# KiCad board kim-1.kicad_pcb (continued)
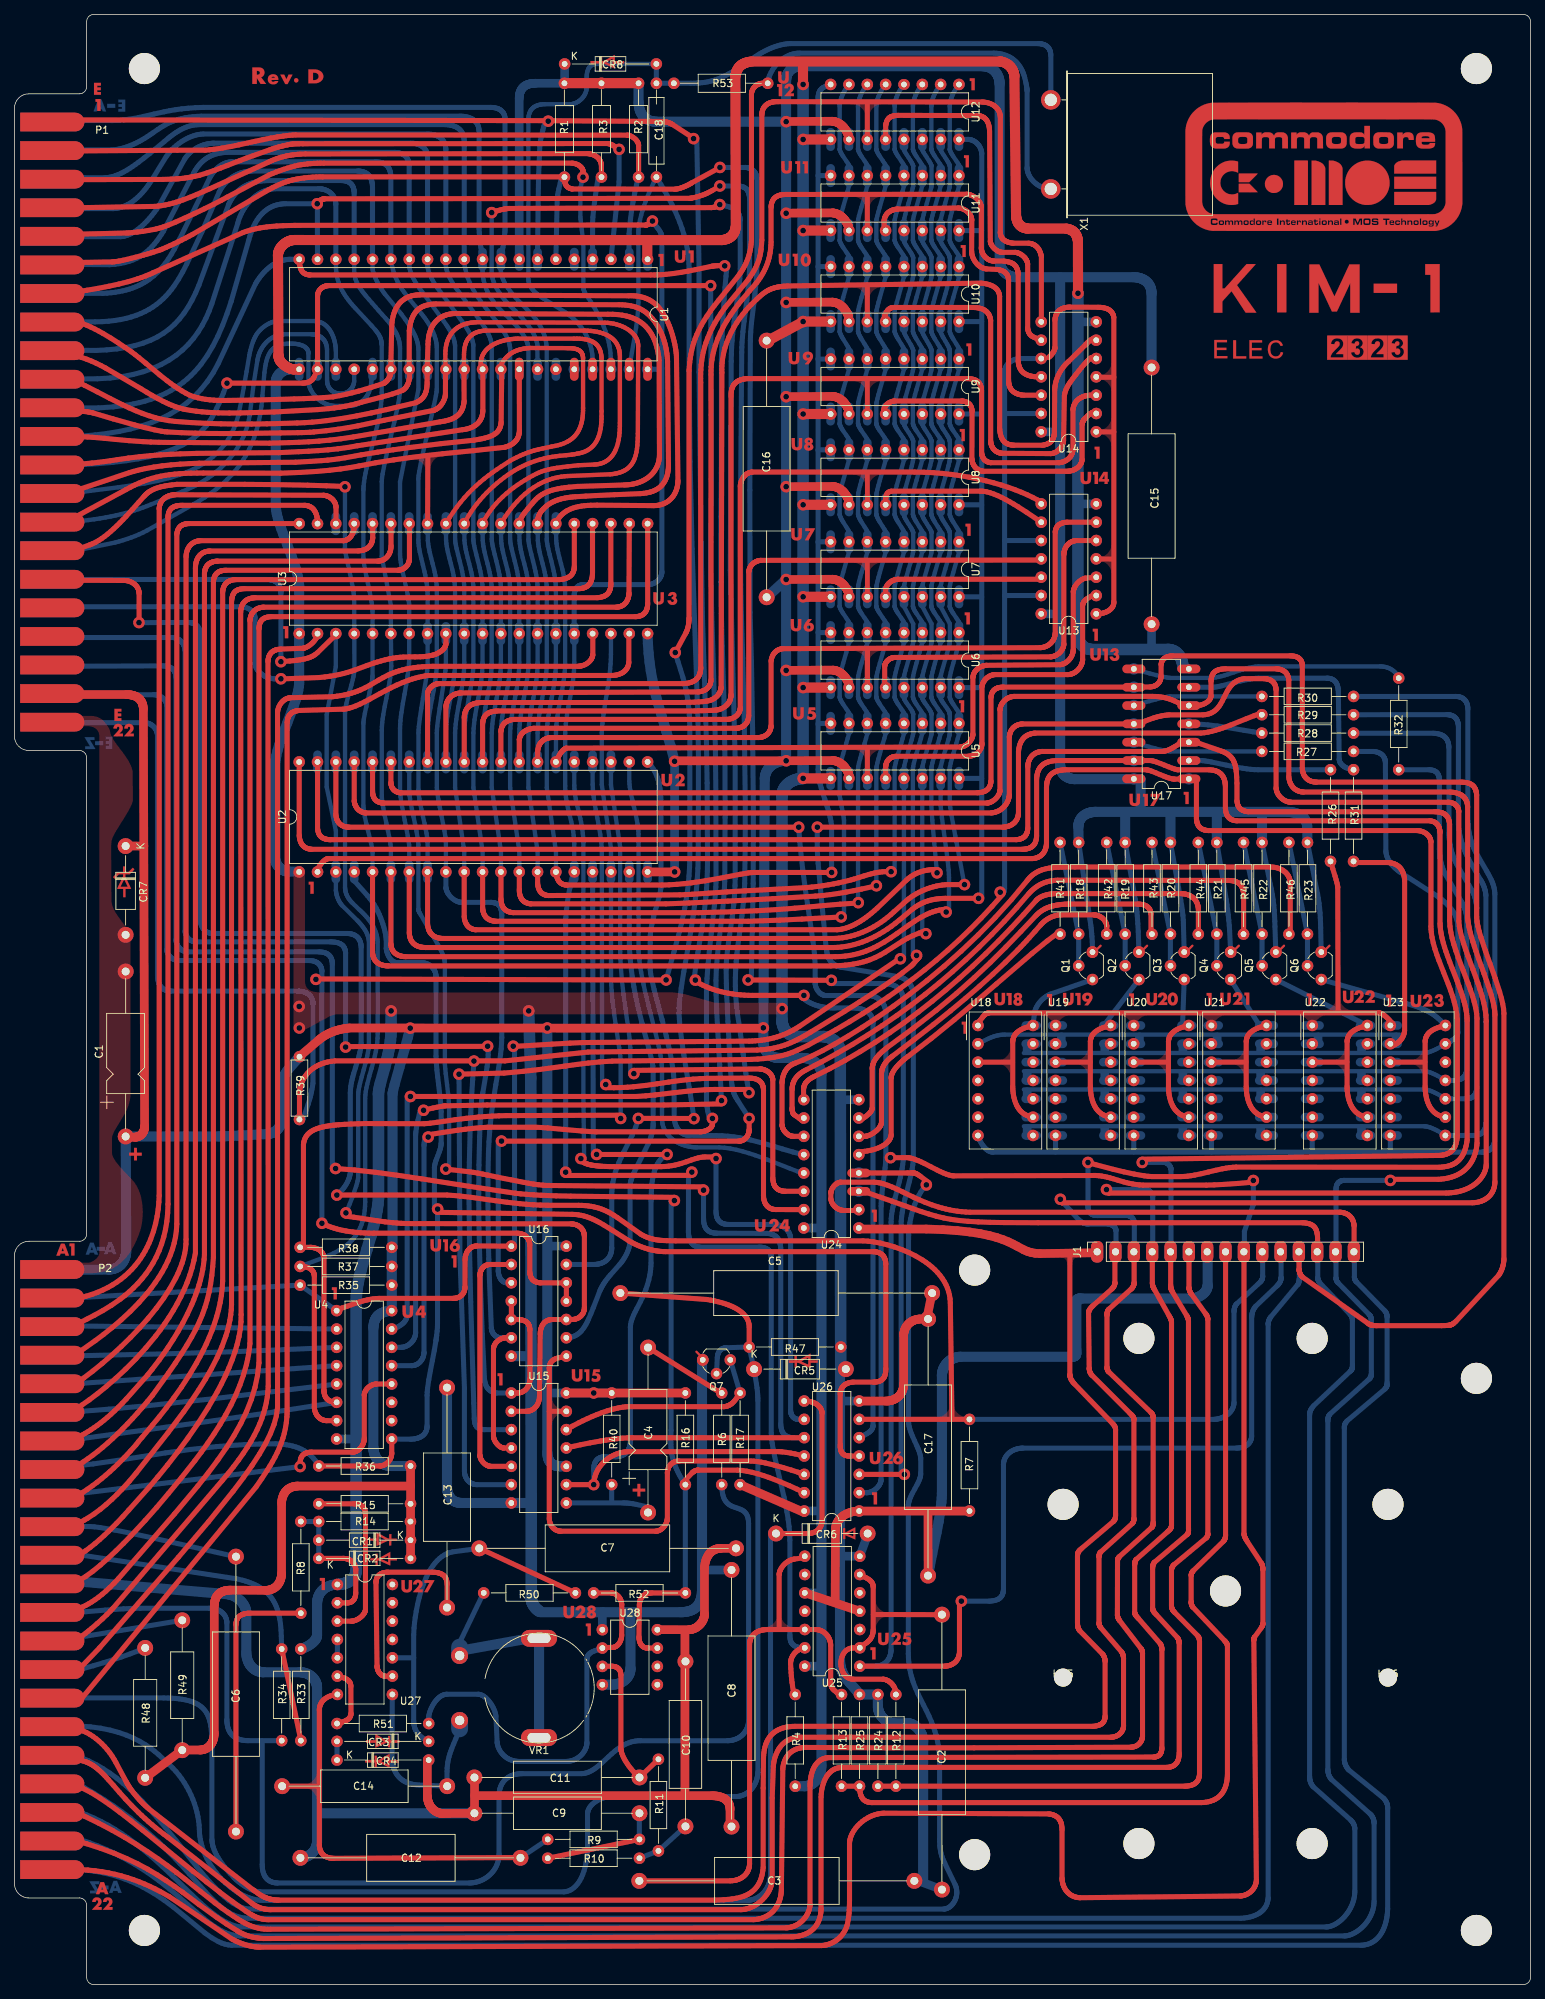
[diagram p0: board, top side]
## Routing (per net, layer and track width the routed paths; a pad name or vN(x,y) marks a point on that pad's centre or on a via; arc(x,y) is an arc through that point) (continued)
/A: length 80
  Top w0.7: 133.47,132.87 133.47,133.3 133.52,133.34 133.57,133.39 133.66,133.48 133.75,133.59 133.83,133.7 134,133.92 134.09,134.03 134.18,134.14 134.27,134.25 134.36,134.34 134.41,134.39 134.46,134.43 134.51,134.47 134.56,134.5 134.61,134.53 134.67,134.56 134.72,134.59 134.78,134.61 134.84,134.63 134.9,134.64 134.96,134.65 135.03,134.65 188.93,134.66 189.01,134.65 189.09,134.64 189.16,134.62 189.25,134.59 189.33,134.56 189.41,134.51 189.5,134.47 189.58,134.41 189.67,134.35 189.75,134.29 189.92,134.15 190.08,134.01 190.24,133.85 190.39,133.7 190.53,133.54 190.65,133.39 190.76,133.26 190.85,133.13 ; 183.33,134.72 183.29,152.03 183.28,152.15 183.26,152.3 183.18,152.67 183.06,153.11 182.92,153.6 182.59,154.65 182.44,155.17 182.3,155.65
/A0: length 330.5
  Top w0.7: 75.01,154.17 75.02,154.04 75.03,153.89 75.06,153.75 75.09,153.59 75.14,153.44 75.19,153.29 75.26,153.15 75.3,153.08 75.34,153.01 75.38,152.94 75.43,152.88 75.48,152.81 75.54,152.75 75.6,152.7 75.66,152.64 75.73,152.6 75.8,152.55 75.88,152.51 75.96,152.47 76.04,152.44 76.13,152.41 76.23,152.39 76.33,152.37 76.43,152.36 76.54,152.36 89.64,152.36 90.69,152.39 91.74,152.46 92.77,152.55 93.78,152.67 95.72,152.95 97.52,153.27 100.52,153.85 101.64,154.04 102.08,154.09 102.45,154.1 113.19,154.1
  Bottom w0.127: 111.34,187.34 111.31,187.36 ; 111.32,212.67 111.31,212.66 ; 111.32,250.67 111.31,250.67 ; 111.32,238.06 111.31,238.05 ; 111.33,225.25 111.31,225.23 ; 111.4,174.76 111.31,174.67 ; 111.32,199.92 111.31,199.92
  Bottom w0.6: 67.37,239.05 67.36,238.43 67.36,238.16 67.36,237.9 67.37,237.66 67.37,237.46 67.4,237.22 67.45,236.98 67.51,236.75 67.59,236.51 67.68,236.27 67.79,236.03 67.92,235.79 68.05,235.55 68.35,235.08 68.69,234.62 69.05,234.17 69.44,233.73 69.83,233.31 70.21,232.9 70.95,232.17 71.57,231.53 71.82,231.27 72.01,231.03 72.24,230.73 72.44,230.44 72.63,230.16 72.79,229.87 72.95,229.59 73.08,229.32 73.2,229.05 73.31,228.78 73.4,228.51 73.48,228.25 73.55,227.99 73.61,227.73 73.65,227.47 73.69,227.21 73.71,226.96 73.73,226.7 73.73,200.29 73.75,200.01 73.79,199.7 73.85,199.35 73.93,198.98 74.13,198.15 74.36,197.26 74.59,196.32 74.7,195.85 74.79,195.37 74.87,194.9 74.94,194.44 74.98,193.99 75,193.55 75,183.19 74.98,182.53 74.95,181.89 74.89,181.26 74.81,180.64 74.63,179.43 74.41,178.24 74.19,177.06 73.98,175.88 73.9,175.28 73.82,174.68 73.77,174.06 73.73,173.44 73.73,165.86 75,157.02 75,154.21
  Bottom w0.7: 113.19,154.11 113.19,160.24 113.16,160.73 113.09,161.23 112.99,161.73 112.87,162.24 112.73,162.74 112.57,163.25 112.23,164.27 111.9,165.3 111.75,165.81 111.61,166.32 111.49,166.83 111.4,167.35 111.34,167.85 111.31,168.36 111.31,199.92 111.31,212.66 111.31,225.23 111.31,238.05 111.31,261.39 111.32,261.53 111.33,261.66 111.35,261.78 111.37,261.9 111.39,262.01 111.42,262.11 111.45,262.2 111.49,262.29 111.53,262.37 111.57,262.44 111.62,262.51 111.67,262.58 111.72,262.64 111.78,262.69 111.84,262.74 111.9,262.79 111.96,262.83 112.02,262.87 112.16,262.94 112.3,263.01 112.44,263.07 112.74,263.17 112.88,263.23 113.03,263.29 ; 7.21,258.29 13.52,258.29 14.35,258.32 15.12,258.39 15.86,258.48 16.57,258.59 17.26,258.73 17.93,258.87 19.3,259.19 20.73,259.51 21.49,259.66 22.3,259.79 23.16,259.91 24.08,260.01 25.08,260.08 26.15,260.12 65.95,260.12 66.17,260.11 66.38,260.09 66.57,260.06 66.76,260.01 66.93,259.96 67.02,259.92 67.1,259.89 67.17,259.85 67.25,259.8 67.32,259.76 67.38,259.71 67.45,259.66 67.51,259.6 67.57,259.54 67.62,259.48 67.67,259.42 67.71,259.35 67.76,259.28 67.79,259.21 67.83,259.13 67.86,259.06 67.89,258.97 67.91,258.89 67.93,258.8 67.94,258.71 67.95,258.62 67.95,258.53 67.95,243.3 67.95,243.06 67.93,242.81 67.89,242.31 67.83,241.79 67.75,241.26 67.66,240.72 67.56,240.17 67.37,239.07 ; U5.8 111.4,174.76 ; U11.8 111.32,250.67 ; U10.8 111.32,238.06 ; U8.8 111.32,212.67 ; U9.8 111.33,225.25 ; U6.8 111.34,187.34 ; U7.8 111.32,199.92
  vias: v1(113.19,154.11)
/A1: length 329
  Top w0.7: 121.42,154.2 121.01,154.22 120.61,154.22 120.22,154.19 119.83,154.15 119.46,154.09 119.09,154.01 118.73,153.93 118.37,153.83 117.67,153.62 116.97,153.4 116.27,153.18 115.91,153.08 115.56,152.99 114.87,152.82 114.18,152.66 113.48,152.52 112.77,152.39 112.03,152.28 111.26,152.17 110.45,152.08 109.59,152 101.13,151.56 98.69,151.41 96.14,151.23 93.84,151.08 92.9,151.03 92.16,151 73.96,150.91 73.87,150.91 73.78,150.93 73.69,150.94 73.6,150.96 73.52,150.98 73.45,151.01 73.37,151.04 73.3,151.07 73.23,151.11 73.17,151.15 73.11,151.19 73.05,151.24 72.99,151.29 72.94,151.34 72.89,151.4 72.84,151.45 72.8,151.51 72.76,151.58 72.72,151.64 72.68,151.71 72.62,151.85 72.57,151.99 72.53,152.15 72.5,152.31 72.48,152.48 72.46,152.65 72.47,154.17
  Bottom w0.6: 64.84,239.05 64.84,238.43 64.84,237.9 64.84,237.46 64.86,237.1 64.89,236.75 64.94,236.41 65.01,236.08 65.09,235.76 65.18,235.45 65.29,235.15 65.4,234.86 65.53,234.58 65.67,234.31 65.96,233.79 66.28,233.31 66.62,232.86 66.97,232.45 67.31,232.07 67.97,231.42 68.53,230.9 68.75,230.69 68.92,230.51 69.27,230.13 69.65,229.7 69.83,229.47 70.02,229.24 70.2,229 70.37,228.75 70.53,228.5 70.69,228.25 70.82,227.99 70.94,227.74 70.99,227.61 71.04,227.48 71.08,227.35 71.12,227.22 71.14,227.09 71.17,226.96 71.18,226.83 71.19,226.7 71.19,200.29 71.21,200.01 71.26,199.7 71.32,199.35 71.4,198.98 71.6,198.15 71.83,197.26 72.06,196.32 72.16,195.85 72.26,195.37 72.34,194.9 72.4,194.44 72.44,193.99 72.46,193.55 72.46,183.19 72.45,182.53 72.41,181.89 72.35,181.26 72.28,180.64 72.09,179.43 71.87,178.24 71.65,177.06 71.44,175.88 71.35,175.28 71.28,174.68 71.22,174.06 71.19,173.44 71.19,165.86 72.46,157.02 72.46,154.21 ; 123.18,263.3 123.13,263.23 122.99,263.03 122.89,262.89 122.78,262.72 122.67,262.54 122.55,262.33 122.43,262.11 122.32,261.87 122.26,261.74 122.21,261.61 122.16,261.48 122.12,261.35 122.07,261.22 122.03,261.08 122,260.94 121.97,260.8 121.95,260.66 121.93,260.52 121.92,260.38 121.92,260.24 121.92,254.37 121.92,254.32 121.93,254.27 121.94,254.21 121.96,254.16 122,254.03 122.06,253.91 122.13,253.77 122.21,253.63 122.3,253.48 122.4,253.33 122.82,252.71 123.02,252.4 123.12,252.25 123.2,252.11 123.2,249.23 123.02,248.5 122.81,247.74 122.39,246.28 122.2,245.63 122.05,245.08 121.95,244.65 121.93,244.49 121.92,244.37 121.92,241.76 121.92,241.71 121.93,241.65 121.94,241.59 121.96,241.53 122.01,241.41 122.07,241.28 122.14,241.14 122.22,241 122.31,240.85 122.41,240.7 122.82,240.09 123.03,239.79 123.12,239.64 123.2,239.5 123.2,236.62 122.82,235.25 122.41,233.79 122.22,233.11 122.06,232.52 121.96,232.06 121.93,231.89 121.92,231.76 121.92,229.12 121.92,229.07 121.93,229.02 121.94,228.96 121.96,228.9 122.01,228.77 122.07,228.64 122.14,228.49 122.22,228.34 122.31,228.18 122.41,228.01 122.82,227.34 123.03,227.01 123.12,226.84 123.2,226.69 123.2,223.81 122.82,222.45 122.4,220.99 122.21,220.32 122.06,219.73 121.96,219.26 121.93,219.08 121.92,218.95 121.92,216.37 121.92,216.32 121.93,216.26 121.94,216.2 121.96,216.14 121.98,216.08 122,216.02 122.06,215.89 122.13,215.75 122.21,215.61 122.3,215.46 122.4,215.31 122.82,214.7 123.02,214.4 123.12,214.25 123.2,214.11 123.2,211.23 122.82,209.87 122.4,208.42 122.21,207.75 122.06,207.16 121.96,206.69 121.93,206.51 121.92,206.37 121.92,203.78 121.92,203.73 121.93,203.67 121.94,203.61 121.96,203.54 122.01,203.41 122.07,203.27 122.14,203.12 122.22,202.97 122.31,202.81 122.41,202.65 122.82,202 123.03,201.67 123.12,201.51 123.2,201.36 123.2,198.48 122.82,197.12 122.4,195.68 122.22,195 122.06,194.41 121.96,193.94 121.93,193.76 121.92,193.62 121.92,191.04 121.92,190.99 121.93,190.94 121.94,190.88 121.95,190.82 122,190.7 122.06,190.57 122.13,190.44 122.21,190.29 122.3,190.15 122.4,190 122.82,189.38 123.02,189.07 123.12,188.92 123.2,188.78 123.2,185.9 122.82,184.54 122.4,183.09 122.21,182.42 122.06,181.83 121.96,181.36 121.93,181.18 121.92,181.04 121.92,178.46 121.92,178.41 121.93,178.35 121.94,178.29 121.96,178.23 122.01,178.11 122.07,177.97 122.14,177.84 122.22,177.7 122.31,177.55 122.41,177.4 122.82,176.79 123.03,176.49 123.12,176.34 123.2,176.2 123.2,173.32 123.02,172.67 122.82,171.97 122.4,170.53 122.21,169.86 122.06,169.27 121.95,168.79 121.93,168.6 121.92,168.46 121.92,154.22
  Bottom w0.7: 7.54,254.22 13.43,254.22 13.76,254.24 14.1,254.28 14.45,254.34 14.79,254.42 15.14,254.51 15.49,254.62 15.85,254.75 16.21,254.89 16.57,255.05 16.93,255.22 17.3,255.41 17.66,255.61 18.03,255.83 18.4,256.06 18.77,256.3 19.14,256.56 19.85,257.06 20.2,257.28 20.54,257.5 20.88,257.7 21.23,257.88 21.59,258.05 21.95,258.2 22.34,258.34 22.75,258.47 23.18,258.58 23.64,258.67 24.14,258.75 24.67,258.82 25.25,258.87 25.87,258.9 61.65,258.9 61.91,258.9 62.16,258.88 62.4,258.85 62.64,258.8 62.88,258.74 63.1,258.66 63.3,258.57 63.4,258.52 63.5,258.46 63.59,258.39 63.68,258.33 63.76,258.25 63.84,258.18 63.92,258.09 63.98,258.01 64.05,257.91 64.11,257.82 64.16,257.71 64.21,257.61 64.25,257.49 64.28,257.37 64.31,257.25 64.33,257.12 64.35,256.98 64.36,256.84 64.36,243.3 64.38,242.77 64.44,242.12 64.52,241.42 64.6,240.72 64.83,239.06
  vias: v1(121.42,154.21)
/A2: length 330.8
  Top w0.7: 119.42,152.26 117.33,151.8 116.27,151.58 115.21,151.38 114.14,151.2 113.08,151.04 112.01,150.91 110.94,150.82 105.06,150.47 98.8,150.13 93.43,149.87 90.21,149.75 71.58,149.75 71.47,149.76 71.36,149.77 71.26,149.79 71.17,149.81 71.07,149.84 70.99,149.87 70.9,149.9 70.82,149.94 70.74,149.98 70.67,150.02 70.6,150.07 70.54,150.12 70.47,150.18 70.41,150.23 70.36,150.29 70.31,150.36 70.26,150.43 70.21,150.5 70.17,150.57 70.13,150.64 70.1,150.72 70.07,150.8 70.04,150.89 70.02,150.97 69.98,151.16 69.95,151.35 69.93,151.55 69.93,151.76 69.93,154.17
  Bottom w0.6: 69.93,154.21 69.93,157.02 68.66,165.86 68.66,173.44 68.69,174.06 68.75,174.68 68.82,175.28 68.91,175.88 69.11,177.06 69.33,178.24 69.55,179.43 69.74,180.64 69.81,181.26 69.87,181.89 69.91,182.53 69.92,183.19 69.92,193.55 69.9,193.99 69.86,194.44 69.8,194.9 69.72,195.37 69.62,195.85 69.52,196.32 69.29,197.26 69.06,198.15 68.86,198.98 68.78,199.35 68.72,199.7 68.67,200.01 68.65,200.29 68.65,226.7 68.65,226.83 68.63,226.96 68.61,227.08 68.59,227.21 68.52,227.47 68.44,227.72 68.34,227.98 68.23,228.23 68.1,228.47 67.96,228.72 67.82,228.96 67.67,229.2 67.51,229.43 67.35,229.66 67.03,230.1 66.73,230.51 65.28,232.32 64.55,233.3 64.2,233.8 63.87,234.32 63.56,234.85 63.27,235.4 63,235.96 62.78,236.55 62.59,237.14 62.44,237.76 62.39,238.08 62.34,238.4 62.31,238.72 62.3,239.05 ; 62.29,239.06 62.31,238.73 ; 120.65,263.3 120.59,263.23 120.45,263.03 120.35,262.89 120.25,262.72 120.13,262.54 120.02,262.33 119.9,262.11 119.78,261.87 119.73,261.74 119.68,261.61 119.63,261.48 119.58,261.35 119.54,261.22 119.5,261.08 119.47,260.94 119.44,260.8 119.41,260.66 119.4,260.52 119.39,260.38 119.38,260.24 119.38,254.37 119.39,254.32 119.39,254.27 119.4,254.21 119.42,254.16 119.47,254.03 119.52,253.91 119.6,253.77 119.68,253.63 119.77,253.48 119.87,253.33 120.29,252.71 120.49,252.4 120.58,252.25 120.67,252.11 120.67,249.23 120.48,248.5 120.28,247.74 119.85,246.28 119.67,245.63 119.51,245.08 119.42,244.65 119.39,244.49 119.38,244.37 119.38,241.76 119.39,241.71 119.4,241.65 119.41,241.59 119.43,241.53 119.47,241.41 119.53,241.28 119.6,241.14 119.69,241 119.78,240.85 119.87,240.7 120.29,240.09 120.49,239.79 120.58,239.64 120.67,239.5 120.67,236.62 120.29,235.25 119.87,233.79 119.68,233.11 119.53,232.52 119.42,232.06 119.39,231.89 119.38,231.76 119.38,229.12 119.39,229.07 119.39,229.02 119.41,228.96 119.42,228.9 119.47,228.77 119.53,228.64 119.6,228.49 119.68,228.34 119.77,228.18 119.87,228.01 120.29,227.34 120.49,227.01 120.58,226.84 120.67,226.69 120.67,223.81 120.29,222.45 119.87,220.99 119.68,220.32 119.52,219.73 119.42,219.26 119.39,219.08 119.38,218.95 119.38,216.37 119.38,216.32 119.39,216.26 119.4,216.2 119.42,216.14 119.44,216.08 119.46,216.02 119.52,215.89 119.59,215.75 119.68,215.61 119.77,215.46 119.86,215.31 120.29,214.7 120.49,214.4 120.58,214.25 120.67,214.11 120.67,211.23 120.29,209.87 119.86,208.42 119.68,207.75 119.52,207.16 119.42,206.69 119.39,206.51 119.38,206.37 119.38,203.78 119.39,203.73 119.4,203.67 119.41,203.61 119.43,203.54 119.47,203.41 119.53,203.27 119.6,203.12 119.68,202.97 119.77,202.81 119.87,202.65 120.29,202 120.49,201.67 120.58,201.51 120.67,201.36 120.67,198.48 120.29,197.12 119.87,195.68 119.68,195 119.53,194.41 119.42,193.94 119.39,193.76 119.38,193.62 119.38,191.04 119.38,190.99 119.39,190.94 119.4,190.88 119.42,190.82 119.46,190.7 119.52,190.57 119.59,190.44 119.68,190.29 119.77,190.15 119.86,190 120.29,189.38 120.49,189.07 120.58,188.92 120.67,188.78 120.67,185.9 120.29,184.54 119.87,183.09 119.68,182.42 119.52,181.83 119.42,181.36 119.39,181.18 119.38,181.04 119.38,178.46 119.39,178.41 119.4,178.35 119.41,178.29 119.43,178.23 119.47,178.11 119.53,177.97 119.6,177.84 119.68,177.7 119.78,177.55 119.87,177.4 120.29,176.79 120.49,176.49 120.58,176.34 120.67,176.2 120.67,173.32 120.49,172.67 120.29,171.97 119.86,170.53 119.67,169.86 119.52,169.27 119.42,168.79 119.39,168.6 119.38,168.46 119.38,152.24
  Bottom w0.7: 62.3,239.07 62.3,255.45 62.28,255.71 62.24,255.96 62.21,256.08 62.18,256.19 62.14,256.31 62.1,256.41 62.06,256.51 62.01,256.61 61.95,256.71 61.89,256.8 61.83,256.88 61.76,256.97 61.68,257.04 61.6,257.12 61.52,257.19 61.43,257.25 61.34,257.32 61.24,257.37 61.13,257.43 61.02,257.48 60.91,257.52 60.79,257.56 60.67,257.6 60.54,257.63 60.4,257.66 60.26,257.68 59.97,257.71 59.65,257.73 25.52,257.73 25.35,257.72 25.18,257.71 24.84,257.67 24.51,257.6 24.19,257.52 23.88,257.41 23.57,257.29 23.27,257.15 22.98,257 22.68,256.83 22.4,256.65 22.11,256.46 21.83,256.26 21.56,256.05 21.29,255.83 20.74,255.37 18.74,253.73 17.95,253.1 17.16,252.5 16.76,252.21 16.37,251.93 15.98,251.67 15.58,251.43 15.19,251.2 14.79,251 14.4,250.82 14,250.66 13.61,250.54 13.21,250.44 13.01,250.41 12.82,250.38 12.62,250.37 12.42,250.36 7.1,250.4
  vias: v1(119.39,152.26)
/A3: length 332.7
  Top w0.7: 116.87,149.88 114.35,149.71 112.19,149.52 108.08,149.15 105.7,148.97 102.83,148.8 99.25,148.65 94.75,148.53 69.12,148.53 69,148.54 68.89,148.56 68.78,148.57 68.67,148.6 68.57,148.62 68.48,148.65 68.39,148.69 68.31,148.73 68.22,148.77 68.15,148.81 68.08,148.86 68.01,148.91 67.94,148.96 67.88,149.02 67.83,149.08 67.78,149.15 67.73,149.21 67.68,149.28 67.64,149.35 67.6,149.43 67.57,149.5 67.54,149.58 67.49,149.75 67.45,149.92 67.42,150.1 67.4,150.29 67.39,150.48 67.39,154.17
  Bottom w0.6: 67.38,154.21 67.38,157.02 66.11,165.86 66.11,173.44 66.14,174.06 66.2,174.68 66.27,175.28 66.36,175.88 66.56,177.06 66.79,178.24 67.01,179.43 67.2,180.64 67.27,181.26 67.33,181.89 67.37,182.53 67.38,183.19 67.38,193.55 67.36,193.99 67.32,194.44 67.26,194.9 67.18,195.37 67.08,195.85 66.98,196.32 66.75,197.26 66.52,198.15 66.32,198.98 66.24,199.35 66.17,199.7 66.13,200.01 66.11,200.29 66.11,227.06 66.1,227.19 66.09,227.32 66.07,227.45 66.05,227.58 65.99,227.83 65.91,228.09 65.81,228.34 65.71,228.59 65.59,228.84 65.46,229.08 65.32,229.32 65.17,229.56 65.02,229.8 64.87,230.02 64.56,230.46 64.25,230.88 61.54,234.57 61.34,234.83 61.15,235.09 60.97,235.34 60.8,235.6 60.64,235.86 60.49,236.12 60.36,236.37 60.24,236.62 60.13,236.86 60.03,237.09 59.95,237.32 59.88,237.53 59.83,237.73 59.79,237.92 59.76,238.1 59.76,238.26 59.76,239.05 ; 116.85,149.89 116.85,168.46 116.85,168.6 116.88,168.79 116.98,169.27 117.14,169.86 117.33,170.53 117.75,171.97 117.95,172.67 118.13,173.32 118.13,176.2 118.05,176.34 117.95,176.49 117.75,176.79 117.33,177.4 117.24,177.55 117.15,177.7 117.07,177.84 116.99,177.97 116.94,178.11 116.89,178.23 116.87,178.29 116.86,178.35 116.85,178.41 116.85,178.46 116.85,181.04 116.86,181.18 116.88,181.36 116.99,181.83 117.14,182.42 117.33,183.09 117.75,184.54 118.13,185.9 118.13,188.78 118.05,188.92 117.95,189.07 117.75,189.38 117.33,190 117.23,190.15 117.14,190.29 117.06,190.44 116.99,190.57 116.93,190.7 116.88,190.82 116.87,190.88 116.85,190.94 116.85,190.99 116.85,191.04 116.85,193.62 116.86,193.76 116.89,193.94 116.99,194.41 117.14,195 117.33,195.68 117.75,197.12 118.13,198.48 118.13,201.36 118.05,201.51 117.95,201.67 117.75,202 117.33,202.65 117.24,202.81 117.15,202.97 117.07,203.12 116.99,203.27 116.93,203.41 116.89,203.54 116.87,203.61 116.86,203.67 116.85,203.73 116.85,203.78 116.85,206.37 116.86,206.51 116.88,206.69 116.99,207.16 117.14,207.75 117.33,208.42 117.75,209.87 118.13,211.23 118.13,214.11 118.05,214.25 117.95,214.4 117.75,214.7 117.33,215.31 117.23,215.46 117.14,215.61 117.06,215.75 116.99,215.89 116.93,216.02 116.9,216.08 116.88,216.14 116.87,216.2 116.86,216.26 116.85,216.32 116.85,216.37 116.85,218.95 116.86,219.08 116.88,219.26 116.99,219.73 117.14,220.32 117.33,220.99 117.75,222.45 118.13,223.81 118.13,226.69 118.05,226.84 117.95,227.01 117.75,227.34 117.33,228.01 117.24,228.18 117.15,228.34 117.06,228.49 116.99,228.64 116.93,228.77 116.89,228.9 116.87,228.96 116.86,229.02 116.85,229.07 116.85,229.12 116.85,231.76 116.86,231.89 116.89,232.06 116.99,232.52 117.15,233.11 117.33,233.79 117.75,235.25 118.13,236.62 118.13,239.5 118.05,239.64 117.95,239.79 117.75,240.09 117.34,240.7 117.24,240.85 117.15,241 117.07,241.14 117,241.28 116.94,241.41 116.89,241.53 116.87,241.59 116.86,241.65 116.85,241.71 116.85,241.76 116.85,244.37 116.85,244.49 116.88,244.65 116.98,245.08 117.13,245.63 117.31,246.28 117.74,247.74 117.95,248.5 118.13,249.23 118.13,252.11 118.05,252.25 117.95,252.4 117.75,252.71 117.33,253.33 117.23,253.48 117.14,253.63 117.06,253.77 116.99,253.91 116.93,254.03 116.88,254.16 116.87,254.21 116.86,254.27 116.85,254.32 116.85,254.37 116.85,260.24 116.85,260.38 116.86,260.52 116.88,260.66 116.9,260.8 116.93,260.94 116.96,261.08 117,261.22 117.04,261.35 117.09,261.48 117.14,261.61 117.19,261.74 117.25,261.87 117.36,262.11 117.48,262.33 117.6,262.54 117.71,262.72 117.82,262.89 117.91,263.03 118.06,263.23 118.11,263.3
  Bottom w0.7: 59.76,239.06 59.76,254.26 59.75,254.39 59.74,254.52 59.72,254.65 59.69,254.77 59.67,254.89 59.63,255 59.59,255.11 59.55,255.21 59.5,255.31 59.45,255.4 59.39,255.49 59.33,255.58 59.27,255.66 59.19,255.74 59.12,255.81 59.04,255.88 58.95,255.95 58.86,256.01 58.77,256.06 58.67,256.12 58.57,256.16 58.46,256.21 58.35,256.25 58.24,256.28 57.99,256.34 57.73,256.39 57.46,256.42 57.17,256.43 26.15,256.43 25.83,256.41 25.5,256.36 25.17,256.29 24.83,256.19 24.48,256.07 24.14,255.92 23.79,255.75 23.45,255.56 23.11,255.35 22.77,255.11 22.45,254.85 22.14,254.58 21.83,254.29 21.55,253.97 21.27,253.65 21.02,253.3 19,250.03 18.76,249.66 18.51,249.31 18.25,248.95 17.97,248.61 17.68,248.27 17.38,247.95 17.07,247.65 16.74,247.37 16.4,247.1 16.05,246.86 15.68,246.65 15.49,246.56 15.3,246.47 15.11,246.39 14.91,246.32 14.71,246.26 14.5,246.21 14.29,246.16 14.08,246.13 13.86,246.1 13.65,246.09 6.8,246.09
  vias: v1(116.88,149.92)
/A4: length 333.6
  Top w0.7: 64.85,154.17 64.85,149.21 64.85,149.11 64.86,149 64.88,148.9 64.89,148.8 64.91,148.71 64.94,148.62 64.96,148.53 64.99,148.44 65.03,148.36 65.07,148.28 65.11,148.2 65.15,148.13 65.2,148.06 65.25,147.99 65.3,147.92 65.36,147.86 65.42,147.81 65.48,147.75 65.55,147.7 65.62,147.65 65.69,147.61 65.77,147.57 65.85,147.53 65.93,147.49 66.01,147.46 66.1,147.43 66.19,147.41 66.29,147.39 66.38,147.37 66.48,147.36 66.59,147.35 66.69,147.34 101.64,147.34 106,147.5 109.09,147.64 114.51,147.93
  Bottom w0.6: 115.57,263.3 115.51,263.23 115.37,263.03 115.27,262.89 115.17,262.72 115.05,262.54 114.94,262.33 114.82,262.11 114.7,261.87 114.65,261.74 114.6,261.61 114.55,261.48 114.5,261.35 114.46,261.22 114.42,261.08 114.39,260.94 114.36,260.8 114.33,260.66 114.32,260.52 114.31,260.38 114.3,260.24 114.3,254.37 114.31,254.32 114.31,254.27 114.32,254.21 114.34,254.16 114.39,254.03 114.44,253.91 114.52,253.77 114.6,253.63 114.69,253.48 114.79,253.33 115.21,252.71 115.41,252.4 115.5,252.25 115.59,252.11 115.59,249.23 115.4,248.5 115.2,247.74 114.77,246.28 114.59,245.63 114.44,245.08 114.34,244.65 114.31,244.49 114.3,244.37 114.3,241.76 114.31,241.71 114.32,241.65 114.33,241.59 114.35,241.53 114.39,241.41 114.45,241.28 114.52,241.14 114.61,241 114.7,240.85 114.79,240.7 115.21,240.09 115.41,239.79 115.5,239.64 115.59,239.5 115.59,236.62 115.21,235.25 114.79,233.79 114.6,233.11 114.45,232.52 114.34,232.06 114.31,231.89 114.3,231.76 114.3,229.12 114.31,229.07 114.32,229.02 114.33,228.96 114.35,228.9 114.39,228.77 114.45,228.64 114.52,228.49 114.6,228.34 114.69,228.18 114.79,228.01 115.21,227.34 115.41,227.01 115.5,226.84 115.59,226.69 115.59,223.81 115.21,222.45 114.79,220.99 114.6,220.32 114.44,219.73 114.34,219.26 114.31,219.08 114.3,218.95 114.3,216.37 114.31,216.32 114.31,216.26 114.32,216.2 114.34,216.14 114.36,216.08 114.38,216.02 114.44,215.89 114.51,215.75 114.6,215.61 114.69,215.46 114.78,215.31 115.21,214.7 115.41,214.4 115.5,214.25 115.59,214.11 115.59,211.23 115.21,209.87 114.78,208.42 114.6,207.75 114.44,207.16 114.34,206.69 114.31,206.51 114.3,206.37 114.3,203.78 114.31,203.73 114.32,203.67 114.33,203.61 114.35,203.54 114.39,203.41 114.45,203.27 114.52,203.12 114.6,202.97 114.69,202.81 114.79,202.65 115.21,202 115.41,201.67 115.5,201.51 115.59,201.36 115.59,198.48 115.21,197.12 114.79,195.68 114.6,195 114.45,194.41 114.34,193.94 114.31,193.76 114.3,193.62 114.3,191.04 114.3,190.99 114.31,190.94 114.32,190.88 114.34,190.82 114.38,190.7 114.44,190.57 114.51,190.44 114.6,190.29 114.69,190.15 114.78,190 115.21,189.38 115.41,189.07 115.5,188.92 115.59,188.78 115.59,185.9 115.21,184.54 114.79,183.09 114.6,182.42 114.44,181.83 114.34,181.36 114.31,181.18 114.3,181.04 114.3,178.46 114.31,178.41 114.32,178.35 114.33,178.29 114.35,178.23 114.39,178.11 114.45,177.98 114.52,177.84 114.61,177.7 114.7,177.55 114.79,177.4 115.21,176.79 115.41,176.49 115.5,176.34 115.59,176.2 115.59,173.32 115.41,172.67 115.21,171.97 114.78,170.53 114.59,169.86 114.44,169.27 114.34,168.79 114.31,168.6 114.3,168.46 114.3,164.96 114.31,164.84 114.32,164.67 114.39,164.24 114.48,163.72 114.6,163.15 114.81,162.05 114.88,161.6 114.9,161.43 114.9,161.29 114.9,147.94 ; 64.84,154.21 64.84,157.02 63.57,165.86 63.57,173.44 63.61,174.06 63.66,174.68 63.73,175.28 63.82,175.88 64.02,177.06 64.25,178.24 64.46,179.43 64.65,180.64 64.72,181.26 64.78,181.89 64.82,182.53 64.83,183.19 64.83,193.55 64.81,193.99 64.77,194.44 64.71,194.9 64.63,195.37 64.53,195.85 64.43,196.32 64.2,197.26 63.97,198.15 63.77,198.98 63.69,199.35 63.63,199.7 63.58,200.01 63.56,200.29 63.56,227.06 63.56,227.19 63.54,227.32 63.52,227.45 63.5,227.58 63.44,227.83 63.36,228.09 63.26,228.34 63.16,228.59 63.04,228.84 62.91,229.08 62.77,229.32 62.62,229.56 62.47,229.8 62.32,230.02 62.01,230.46 61.7,230.88 58.99,234.57 58.79,234.83 58.6,235.09 58.42,235.34 58.25,235.6 58.09,235.86 57.94,236.12 57.81,236.37 57.69,236.62 57.58,236.86 57.48,237.09 57.4,237.32 57.33,237.53 57.28,237.73 57.24,237.92 57.22,238.1 57.21,238.26 57.21,239.05
  Bottom w0.7: 57.22,239.06 57.22,253.29 57.21,253.39 57.21,253.49 57.19,253.58 57.17,253.68 57.15,253.77 57.12,253.86 57.09,253.95 57.05,254.04 57,254.12 56.96,254.2 56.91,254.28 56.85,254.36 56.79,254.43 56.73,254.5 56.66,254.56 56.58,254.63 56.51,254.69 56.42,254.75 56.34,254.8 56.25,254.85 56.15,254.9 56.06,254.94 55.96,254.98 55.85,255.02 55.74,255.05 55.63,255.08 55.51,255.1 55.39,255.12 55.26,255.14 55.14,255.15 54.87,255.16 27.65,255.16 27.48,255.15 27.31,255.14 27.14,255.12 26.98,255.1 26.82,255.07 26.66,255.04 26.5,255 26.34,254.96 26.19,254.91 26.04,254.86 25.9,254.81 25.75,254.75 25.61,254.69 25.47,254.62 25.34,254.56 25.21,254.48 24.95,254.33 24.71,254.16 24.49,253.98 24.27,253.79 24.08,253.6 23.9,253.39 23.73,253.18 23.58,252.96 19.98,246.41 19.66,245.96 19.35,245.54 19.02,245.13 18.7,244.74 18.37,244.38 18.04,244.04 17.71,243.73 17.37,243.44 17.04,243.18 16.7,242.94 16.36,242.74 16.03,242.57 15.86,242.49 15.69,242.43 15.52,242.37 15.36,242.32 15.19,242.28 15.02,242.24 14.86,242.22 14.69,242.2 7.26,242.2
  vias: v1(114.51,147.94)
/A5: length 345.7
  Top w0.7: 62.3,154.17 62.3,148.03 62.31,147.85 62.33,147.68 62.37,147.51 62.42,147.34 62.48,147.18 62.55,147.03 62.59,146.96 62.64,146.89 62.68,146.82 62.73,146.75 62.79,146.69 62.84,146.63 62.9,146.57 62.96,146.52 63.03,146.47 63.1,146.42 63.17,146.38 63.24,146.34 63.32,146.3 63.4,146.27 63.48,146.24 63.57,146.22 63.66,146.2 63.75,146.18 63.84,146.17 63.94,146.16 113.95,146.16 114.25,146.19 114.55,146.24 114.87,146.31 115.18,146.4 115.51,146.51 115.84,146.64 116.18,146.8 116.52,146.97 116.87,147.17 117.23,147.38 117.59,147.62 117.96,147.88 118.34,148.17 118.72,148.48 119.11,148.8 119.5,149.16 123.56,153.04 123.77,153.24 124,153.42 124.24,153.59 124.49,153.74 124.75,153.88 125.01,154 125.28,154.11 125.56,154.21 125.83,154.29 126.12,154.36 126.4,154.42 126.68,154.46 126.96,154.49 127.24,154.5 127.52,154.51 127.8,154.5
  Bottom w0.6: 127.78,154.05 127.4,158.2 127.13,161.37 127.04,162.63 127.01,163.46 127.01,168.46 127.01,168.6 127.04,168.79 127.14,169.27 127.3,169.86 127.49,170.53 127.91,171.97 128.11,172.67 128.29,173.32 128.29,176.2 128.21,176.34 128.11,176.49 127.91,176.79 127.5,177.4 127.4,177.55 127.31,177.7 127.23,177.84 127.15,177.97 127.1,178.11 127.05,178.23 127.03,178.29 127.02,178.35 127.01,178.41 127.01,178.46 127.01,181.04 127.02,181.18 127.04,181.36 127.15,181.83 127.3,182.42 127.49,183.09 127.91,184.54 128.29,185.9 128.29,188.78 128.21,188.92 128.11,189.07 127.91,189.38 127.49,190 127.39,190.15 127.3,190.29 127.22,190.44 127.15,190.57 127.09,190.7 127.04,190.82 127.03,190.88 127.01,190.94 127.01,190.99 127.01,191.04 127.01,193.62 127.02,193.76 127.05,193.94 127.15,194.41 127.3,195 127.49,195.68 127.91,197.12 128.29,198.48 128.29,201.36 128.21,201.51 128.11,201.67 127.91,202 127.49,202.65 127.4,202.81 127.31,202.97 127.23,203.12 127.15,203.27 127.09,203.41 127.05,203.54 127.03,203.61 127.02,203.67 127.01,203.73 127.01,203.78 127.01,206.37 127.02,206.51 127.04,206.69 127.15,207.16 127.3,207.75 127.49,208.42 127.91,209.87 128.29,211.23 128.29,214.11 128.21,214.25 128.11,214.4 127.91,214.7 127.49,215.31 127.39,215.46 127.3,215.61 127.22,215.75 127.15,215.89 127.09,216.02 127.06,216.08 127.04,216.14 127.03,216.2 127.02,216.26 127.01,216.32 127.01,216.37 127.01,218.95 127.02,219.08 127.04,219.26 127.15,219.73 127.3,220.32 127.49,220.99 127.91,222.45 128.29,223.81 128.29,226.69 128.21,226.84 128.11,227.01 127.91,227.34 127.49,228.01 127.4,228.18 127.31,228.34 127.22,228.49 127.15,228.64 127.09,228.77 127.05,228.9 127.03,228.96 127.02,229.02 127.01,229.07 127.01,229.12 127.01,231.76 127.02,231.89 127.05,232.06 127.15,232.52 127.31,233.11 127.49,233.79 127.91,235.25 128.29,236.62 128.29,239.5 128.21,239.64 128.11,239.79 127.91,240.09 127.5,240.7 127.4,240.85 127.31,241 127.23,241.14 127.16,241.28 127.1,241.41 127.05,241.53 127.03,241.59 127.02,241.65 127.01,241.71 127.01,241.76 127.01,244.37 127.01,244.49 127.04,244.65 127.14,245.08 127.29,245.63 127.48,246.28 127.9,247.74 128.11,248.5 128.29,249.23 128.29,252.11 128.21,252.25 128.11,252.4 127.91,252.71 127.49,253.33 127.39,253.48 127.3,253.63 127.22,253.77 127.15,253.91 127.09,254.03 127.04,254.16 127.03,254.21 127.02,254.27 127.01,254.32 127.01,254.37 127.01,260.24 127.01,260.38 127.02,260.52 127.04,260.66 127.06,260.8 127.09,260.94 127.12,261.08 127.16,261.22 127.2,261.35 127.25,261.48 127.3,261.61 127.35,261.74 127.41,261.87 127.52,262.11 127.64,262.33 127.76,262.54 127.87,262.72 127.98,262.89 128.07,263.03 128.22,263.23 128.27,263.3 ; 54.68,239.06 54.68,238.26 54.69,238.1 54.71,237.92 54.75,237.73 54.8,237.53 54.87,237.32 54.95,237.09 55.05,236.86 55.16,236.62 55.28,236.37 55.42,236.12 55.56,235.86 55.72,235.61 55.89,235.35 56.07,235.09 56.26,234.83 56.46,234.57 59.18,230.88 59.48,230.46 59.79,230.02 59.94,229.8 60.1,229.56 60.24,229.33 60.38,229.08 60.51,228.84 60.63,228.59 60.74,228.34 60.83,228.09 60.91,227.83 60.97,227.58 61,227.45 61.01,227.32 61.03,227.19 61.04,227.06 61.04,200.29 61.06,200.01 61.1,199.7 61.16,199.35 61.24,198.98 61.44,198.15 61.67,197.26 61.9,196.32 62,195.85 62.1,195.37 62.18,194.9 62.24,194.44 62.29,193.99 62.31,193.55 62.31,183.19 62.29,182.53 62.25,181.89 62.2,181.26 62.12,180.64 61.93,179.43 61.71,178.24 61.49,177.06 61.28,175.88 61.2,175.28 61.12,174.68 61.07,174.06 61.03,173.44 61.03,165.86 62.3,157.02 62.31,154.21